# Altium PCB AMS_Master_A1.PcbDoc (part 1 of 2) (continued)
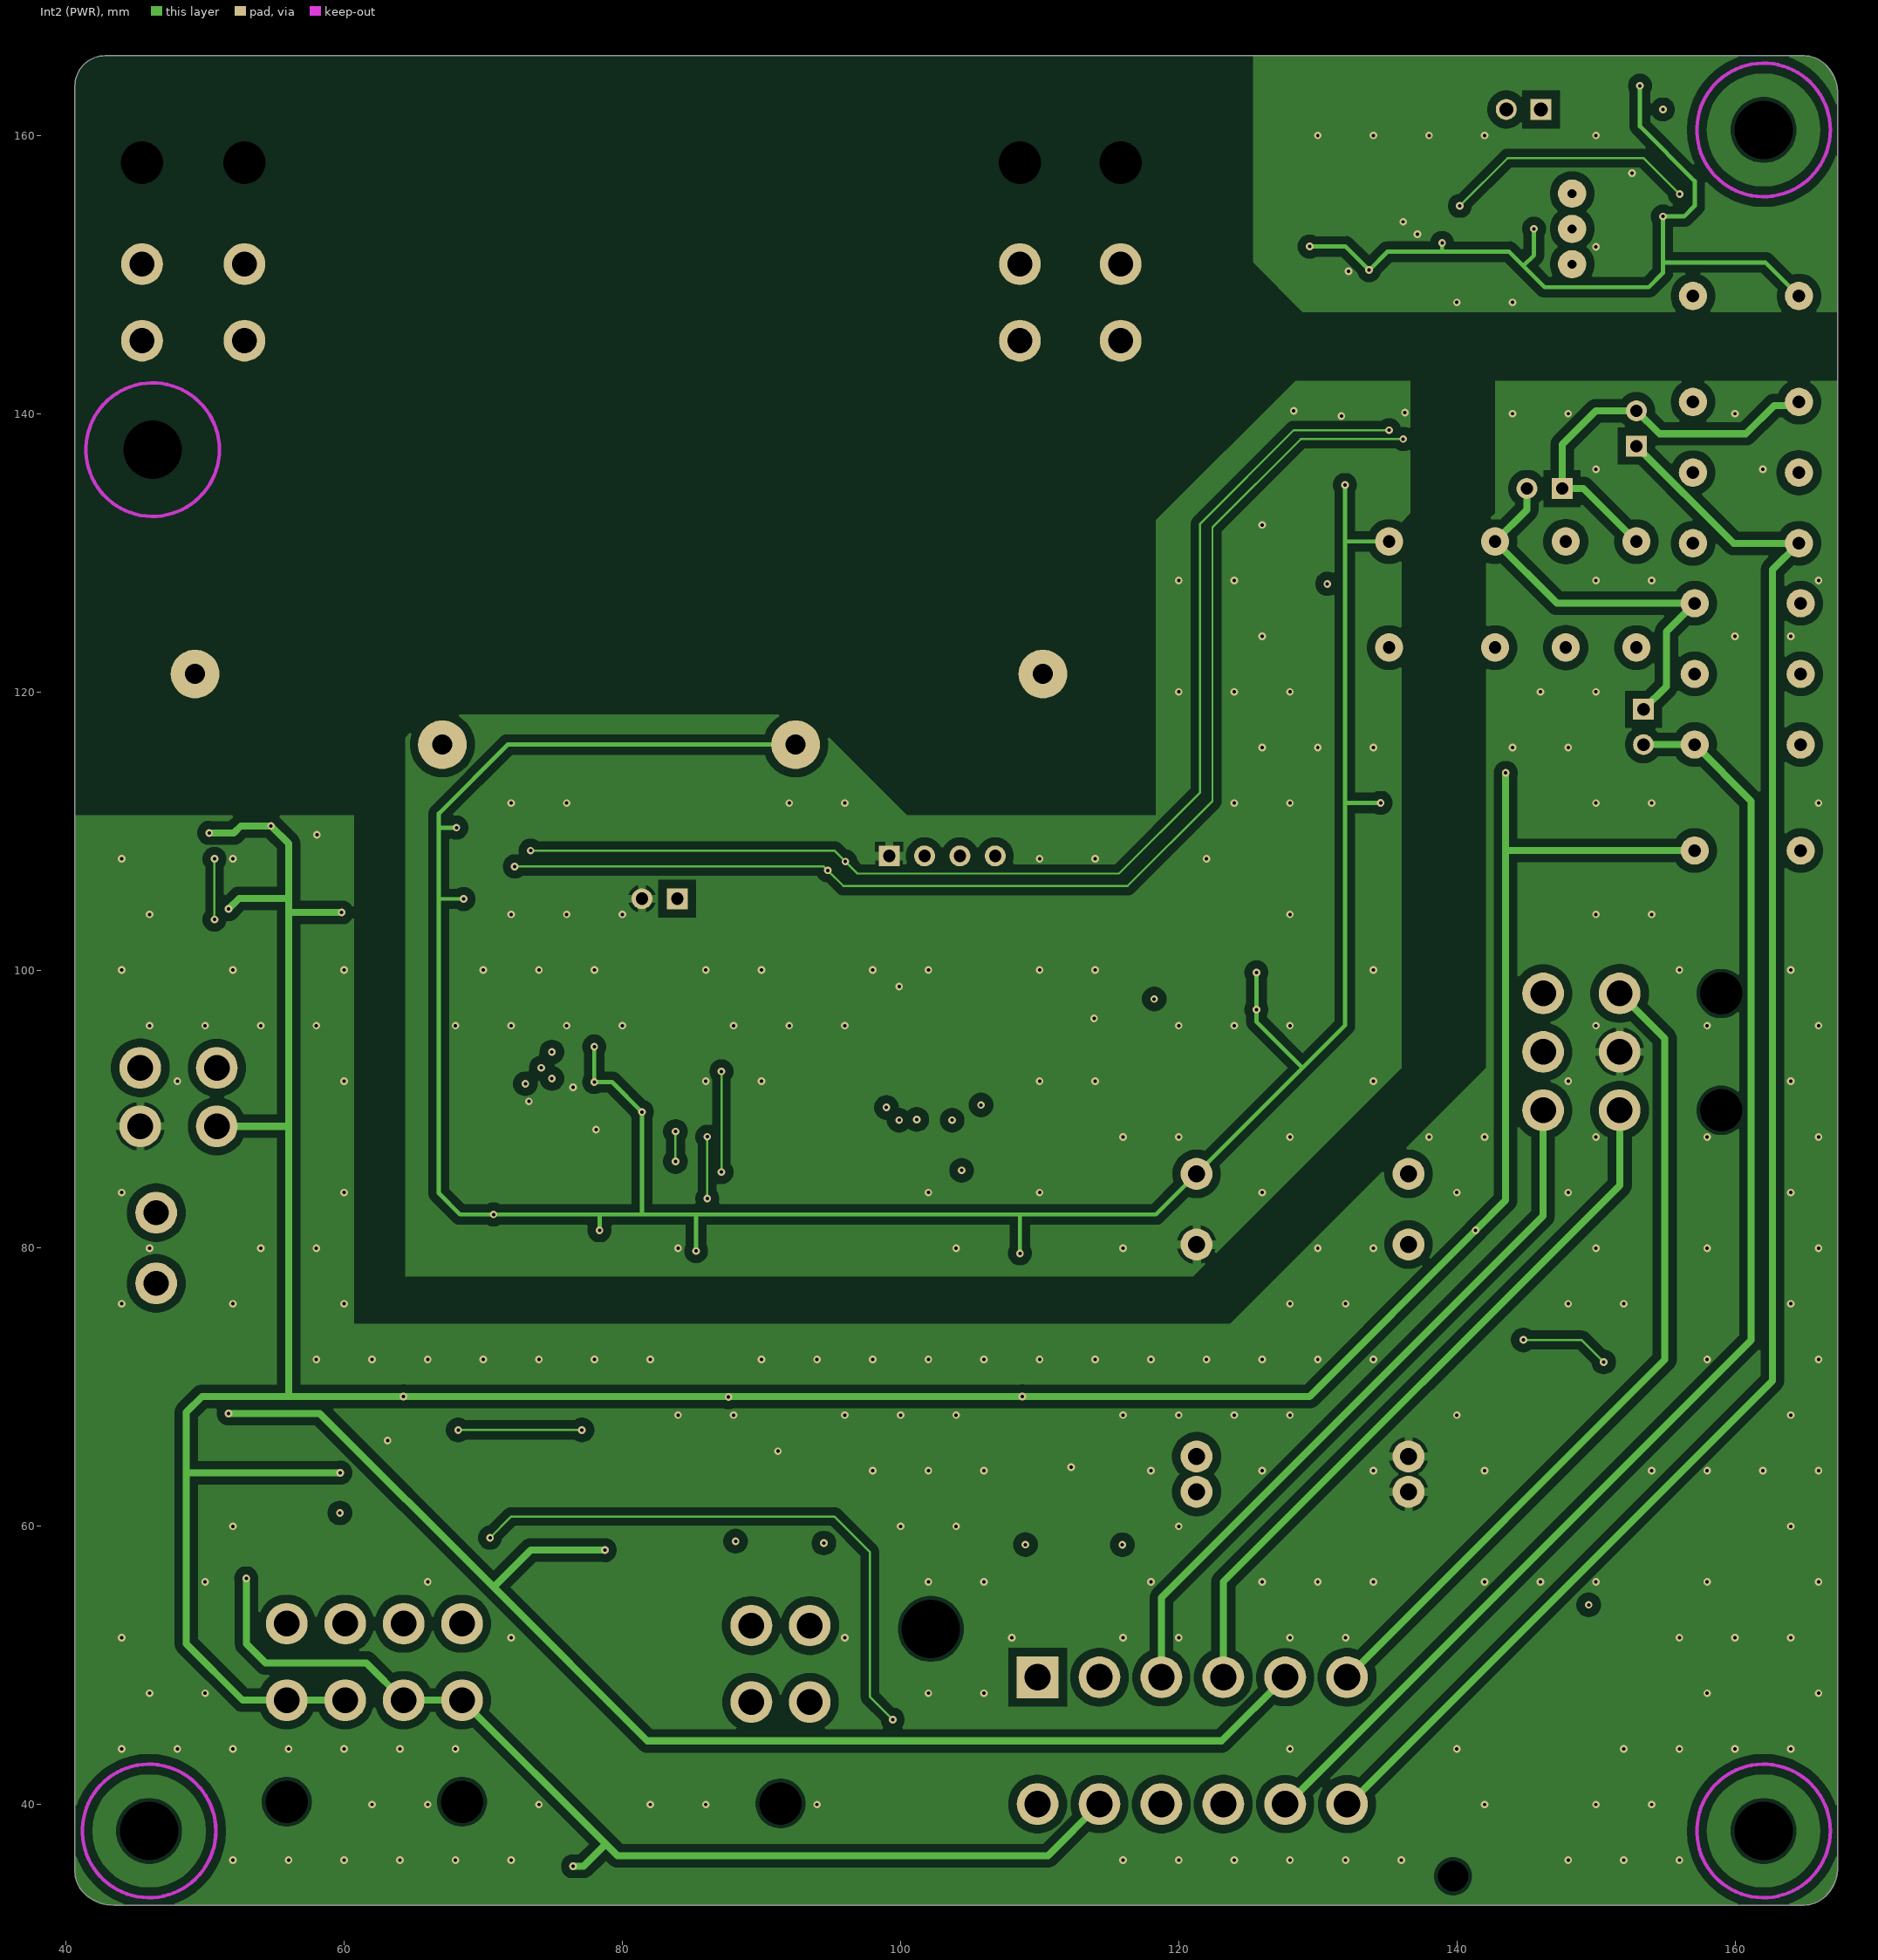
[diagram p3: Int2 (PWR)]
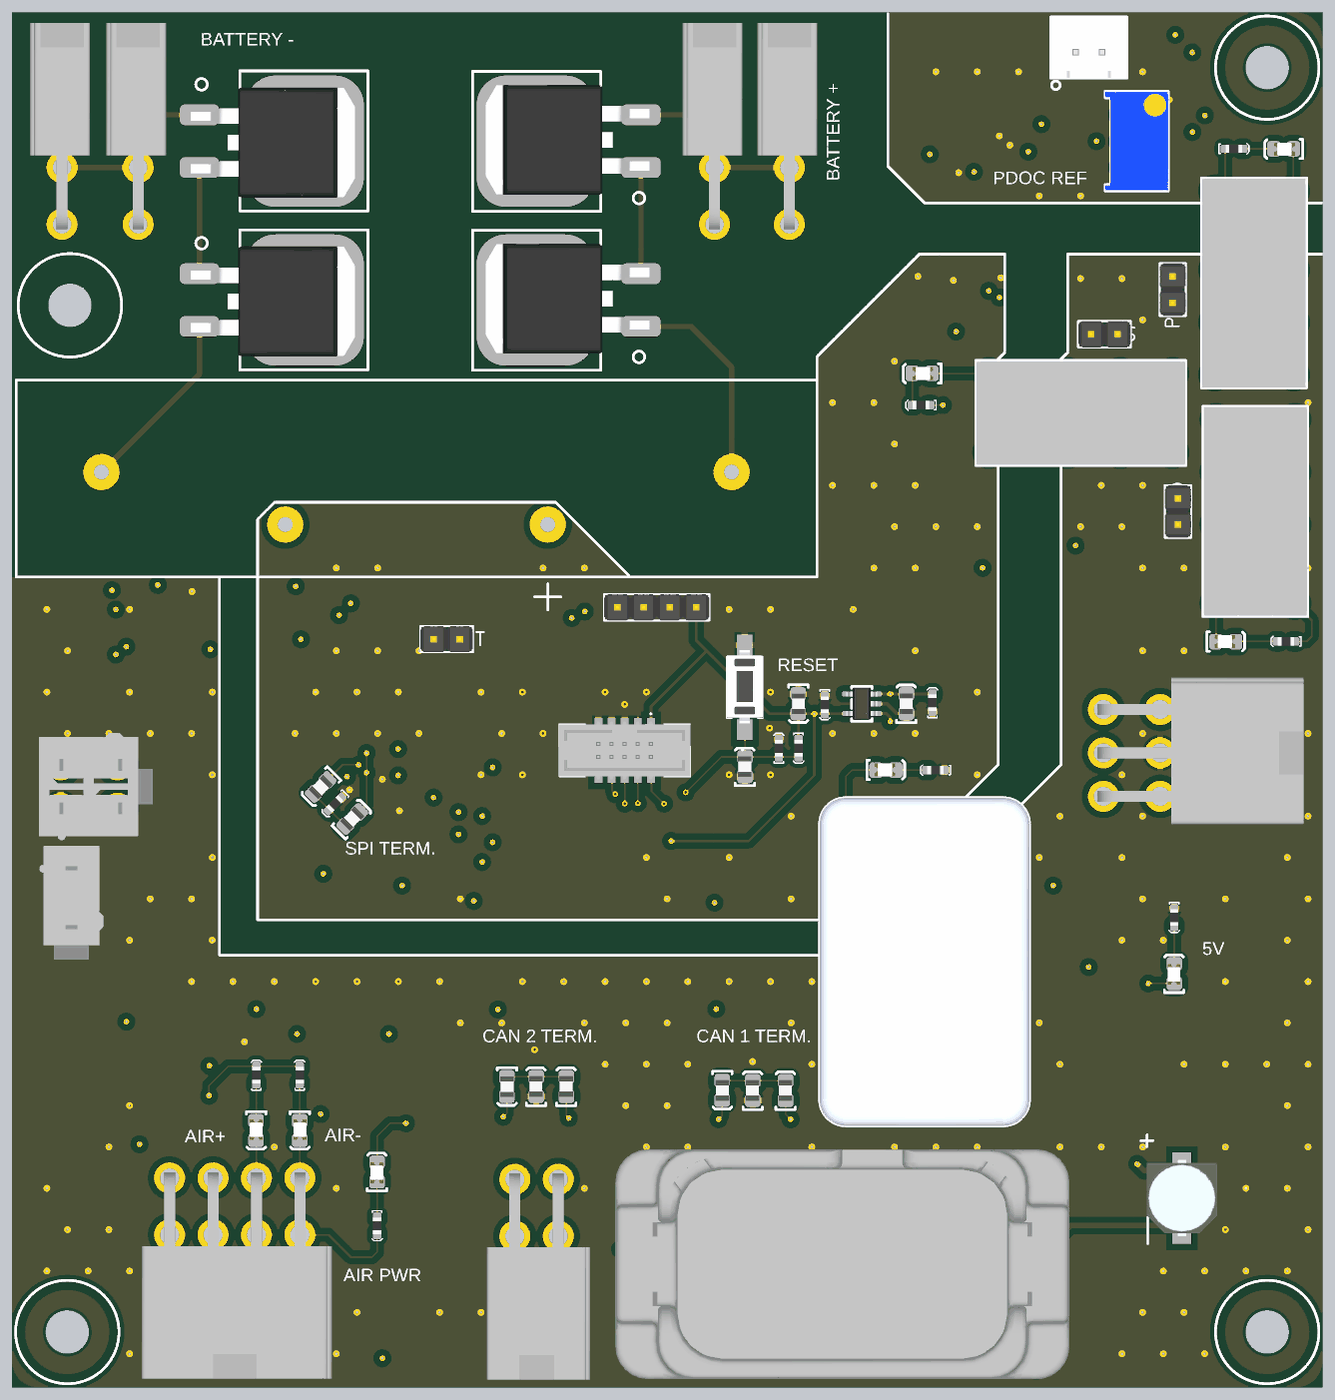
[diagram p5: 3D render of the assembled board from above, using the file's embedded part models]
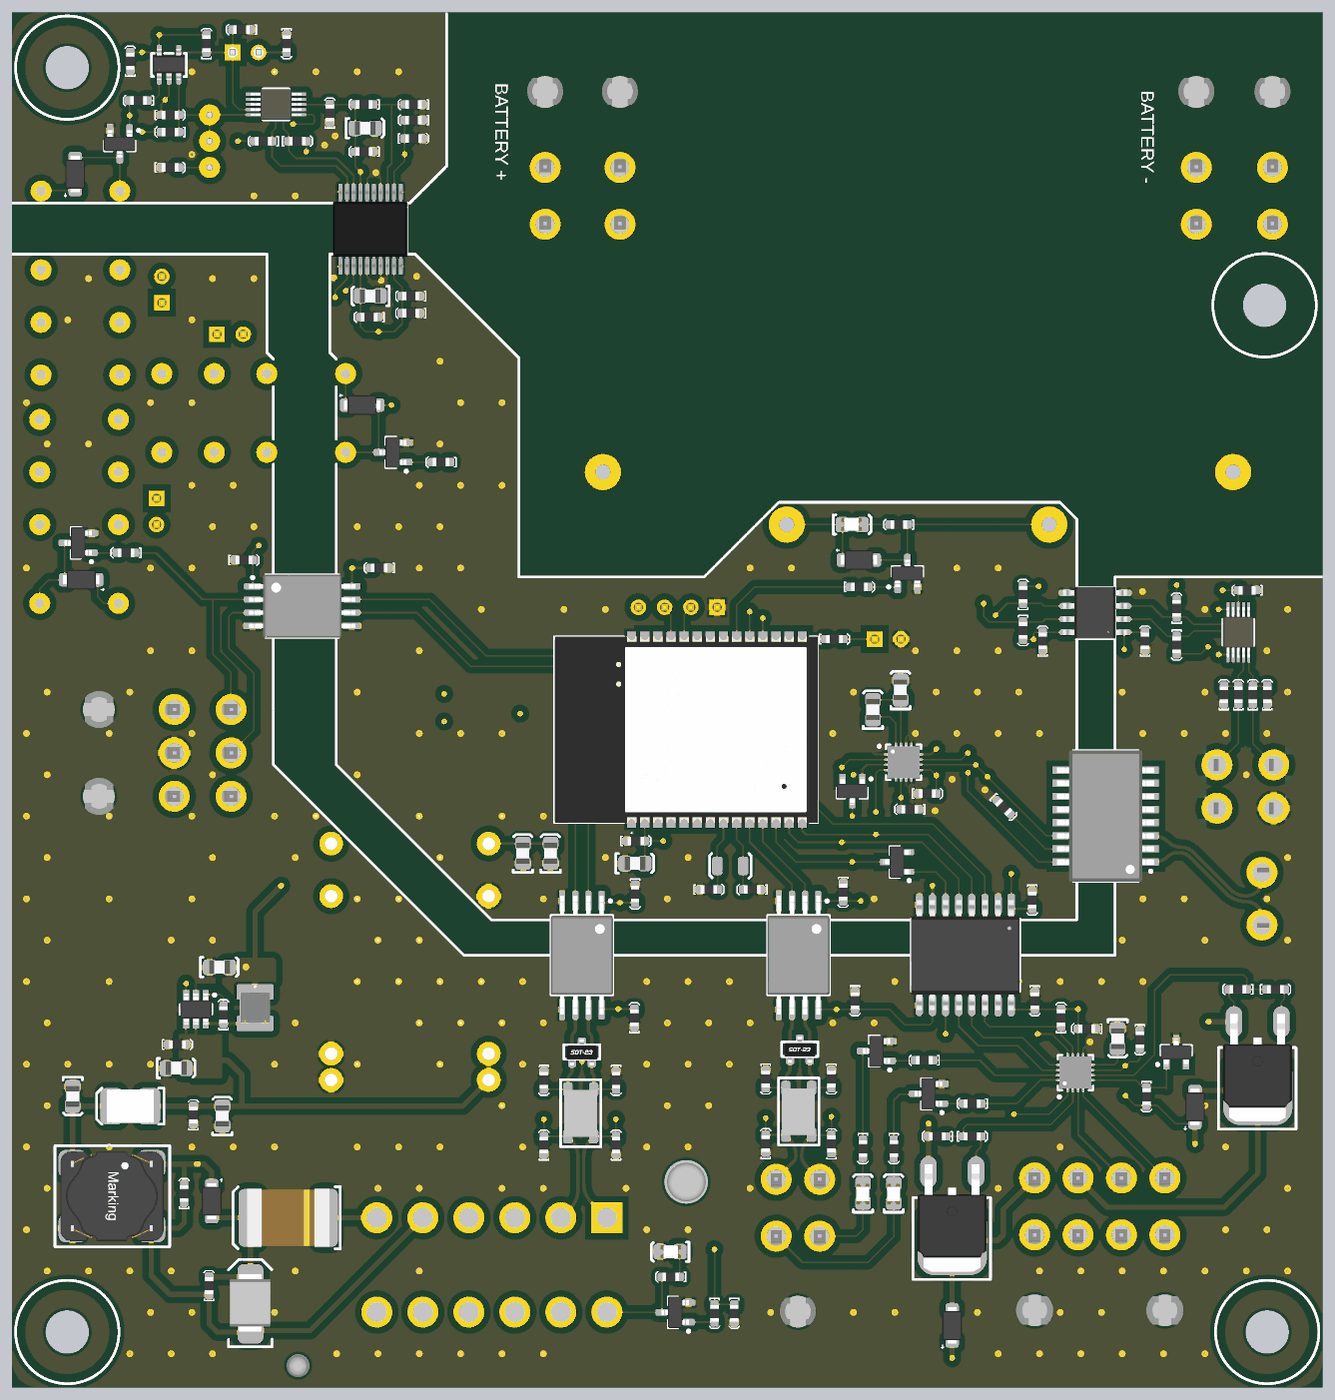
[diagram p6: 3D render of the assembled board from below, using the file's embedded part models]

## Layer stack, top to bottom
Top Solder: solder mask 0.0254, SM-001, Dk 4
Top Layer: signal copper 0.035
Dielectric 1: prepreg 0.1295, PP-017, Dk 4.3
Dielectric 2: prepreg 0.1295, PP-017, Dk 4.3
Int1 (GND): signal copper 0.035
Dielectric 3: core 0.7112, Core-039, Dk 4.8
Int2 (PWR): signal copper 0.035
Dielectric 4: prepreg 0.1295, PP-017, Dk 4.3
Dielectric 5: prepreg 0.1295, PP-017, Dk 4.3
Bottom Layer: signal copper 0.035
Bottom Solder: solder mask 0.0254, SM-001, Dk 4

## Board outline
41.275,33.655 cw(c42.808,35.188) 40.64,35.188 40.64,163.567 cw(c42.808,163.567) 41.275,165.1 cw(c42.808,163.567) 42.808,165.735 164.964,165.735 cw(c164.964,163.567) 166.497,165.1 cw(c164.351,162.954) 167.386,162.954 167.386,35.547 cw(c164.351,35.547) 166.497,33.401 cw(c164.964,34.934) 164.964,32.766 43.421,32.766 cw(c43.421,35.801)

## Design rules (kind name [scope] priority, off if disabled: settings)
Clearance [All] p1: gap=0.254 ignorepadtopadclearanceinfootprint=FALSE except(0: Arc-Hole Track-Hole SMDPad-Hole THPad-Hole Via-Hole Fill-Hole Region-Hole Text-Hole; 0.1: THPad-THPad; 0.152: Arc-SMDPad Track-SMDPad SMDPad-SMDPad; 0.2: Arc-THPad Track-THPad SMDPad-THPad THPad-Via; 0.203: Arc-Arc Arc-Track Arc-Region Track-Track Track-Region SMDPad-Region THPad-Region Via-Region Fill-Region Poly-Region Region-Region; 0.6: Arc-Poly Track-Poly SMDPad-Poly THPad-Poly Via-Poly Fill-Poly Poly-Poly)
DiffPairsRouting [All] p1: maxlimit=0.22 minlimit=0.22 mostfreqgap=0.22 toplayer_minwidth=0.33 toplayer_maxwidth=0.33 toplayer_prefwidth=0.33 midlayer1_minwidth=0.33 midlayer1_maxwidth=0.33 midlayer1_prefwidth=0.33 midlayer2_minwidth=0.33 midlayer2_maxwidth=0.33 midlayer2_prefwidth=0.33 bottomlayer_minwidth=0.33 bottomlayer_maxwidth=0.33 bottomlayer_prefwidth=0.33 maxuncoupledlength=12.7
Height [All] p1: minheight=0 maxheight=50 prefheight=12.7
HoleSize [All] p1: absolutevalues=TRUE maxlimit=10 minlimit=0.025 maxpercent=80.000 minpercent=20.000
MinimumSolderMaskSliver [All] p1 off: minsoldermaskwidth=0.254
NetAntennae [All] p1 off: netantennaetolerance=0
PlaneClearance [All] p1: clearance=0.4
PlaneConnect [All] p1: pad.planeconnectstyle=Relief pad.reliefexpansion=0.508 pad.reliefentries=4 pad.reliefconductorwidth=0.8 pad.reliefairgap=0.254 via.planeconnectstyle=Direct via.reliefexpansion=0.508 via.reliefentries=4 via.reliefconductorwidth=0.8 via.reliefairgap=0.254
PolygonConnect [All] p1: thpad.connectstyle=Relief thpad.reliefconductorwidth=0.6 thpad.reliefentries=4 thpad.polygonreliefangle="90 Angle" thpad.airgapwidth=0.254 smdpad.connectstyle=Relief smdpad.reliefconductorwidth=0.6 smdpad.reliefentries=4 smdpad.polygonreliefangle="90 Angle" smdpad.airgapwidth=0.254 via.connectstyle=Direct via.reliefconductorwidth=0.6 via.reliefentries=4 via.polygonreliefangle="90 Angle" via.airgapwidth=0.254
RoutingVias [All] p1: holewidth=0.25 width=0.55 viastyle="Through Hole" minholewidth=0.203 minwidth=0.254 maxholewidth=0.711 maxwidth=1.27
SilkToSilkClearance [All] p1 off: silktosilkclearance=0.254
SilkToSolderMaskClearance [IsPad] p1 off: minsilkscreentomaskgap=0.254 clearancetoexposedcopper=TRUE
SolderMaskExpansion [All] p1: expansion=0.051 istentingtop=FALSE
Width [All] p1: maxlimit=3 minlimit=0.127 preferedwidth=0.152 minimp=50.000000 maximp=50.000000 favimp=50.000000
21 further rules are at their usual default settings.

## Classes and differential pairs
component class "GPIO Expansion": C38 C40 C58 C59 C60 D20 D23 R19 R44 U15 U19
component class U_Microcontroller: BOOT C9 C57 C61 C62 C65 C66 JTAG P11 R2 R60 U1 UART X1
component class "Top Level": P1 P2 P3 P4 P5 P6 P7 P8 P9 P14
component class Precharge: D11 D12 D13 D14 D15 D17 D18 D19 Q4 Q5 Q6 Q7 R28 R29 R30 R31 R32 R33 R34 R35 R36 R37 R38 R39 R40 R41 R42 R43 U20
component class Power: C1 C2 C3 C4 C5 C6 C7 C8 C10 C11 C12 C13 C14 C15 C16 C17 D1 D2 D3 D4 F1 L1 L2 R1 R3 U2 U3 U4 U5
component class PDOC: C39 C41 C42 C43 C44 C45 C46 C47 C48 C49 C50 C51 D7 D8 K2 P10 PDOC Q2 R14 R15 R18 R20 R21 R22 R23 R24 R25 R26 R27 U16 U17 U18
component class isoSPI: C32 C33 C34 C35 D16 R8 R9 R10 R11 U12 U13
component class "Green Loop": AMS C36 C37 D5 D6 D9 D10 IMD K1 K3 Q1 Q3 R12 R13 R16 R17 U14
component class "Current Sensor": C52 C53 C54 C55 C56 R53 R54 R55 R56 R57 R58 U23 U24
component class "Charger Interface": D21 D22 Q9 Q10 R49 R50 R51 R52
component class CANBUS: C18 C19 C20 C21 C22 C23 C24 C25 C26 C27 C28 C29 C30 C31 R4 R5 R6 R7 U6 U7 U8 U9 U10 U11
differential pair ISO_SPI: +ISO_SPI_P -ISO_SPI_N
differential pair CAN2F: +CAN2F_P -CAN2F_N
differential pair CAN1F: +CAN1F_P -CAN1F_N
differential pair CAN2: +CAN2_P -CAN2_N
differential pair CAN1: +CAN1_P -CAN1_N

## Components (designator, comment, footprint, x,y, rotation, side; value= is the part's Value field where it differs from the comment)
AMS "2.54mm" "TH 2.54mm Header 1x2" 147.574,134.62 r180 top
BOOT "2.54mm" "TH 2.54mm Header 1x2" 83.947,105.124 r180 top
C1 "22uF" 0805 117.983,84.406 r90 bottom
C2 "1µF" 0805 115.316,84.406 r90 bottom
C3 "10uF" 0805 161.518,60.882 r270 bottom
C4 "10uF" 0805 147.066,59.006 r90 bottom
C5 "100nF" 0603 149.86,58.244 r90 bottom
C6 "100nF" 0603 148.336,41.734 r90 bottom
C7 "100nF" 0603 150.749,50.649 r90 bottom
C8 "47uF" "CHEMI-CON ELCO" 153.797,51.054 r90 top
C9 "22uF" 0805 107.135,83.439 r180 bottom
C10 "100nF" 0603 146.939,67.945 r90 bottom
C11 "2.2uF" 0805 151.511,63.627 r180 bottom
C12 "1µF" 0805 127.127,98.884 r90 top
C13 "100nF" 0603 129.667,98.122 r90 top
C14 "1µF" 0805 116.713,98.86 r270 top
C15 "100nF" 0603 119.253,99.622 r270 top
C16 "100nF" 0603 152.256,65.913 r180 bottom
C17 "10uF" 0805 147.32,73.406 r180 bottom
C18 "100nF" 0603 107.188,67.642 r90 bottom
C19 "100nF" 0603 107.124,81.329 r270 bottom
C20 "22uF" 0805 112.268,61.468 r90 top
C21 "100pF" 0603 108.966,55.323 r90 bottom
C22 "100pF" 0603 115.951,55.323 r90 bottom
C23 "100pF" 0603 115.951,63.295 r270 bottom
C24 "100pF" 0603 108.966,63.295 r270 bottom
C25 "100nF" 0603 85.852,70.999 r270 bottom
C26 "100nF" 0603 86.995,81.499 r270 bottom
C27 "22uF" 0805 91.313,61.849 r90 top
C28 "100pF" 0603 88.138,55.45 r90 bottom
C29 "100pF" 0603 94.488,55.472 r90 bottom
C30 "100pF" 0603 94.488,63.422 r270 bottom
C31 "100pF" 0603 88.138,63.422 r270 bottom
C32 "100nF" 0603 79.703,90.182 r180 bottom
C33 "100nF" 0603 79.703,88.658 r0 bottom
C34 "100nF" 0603 72.468,89.789 r225 top
C35 "10nF" 0603 72.068,89.467 r225 bottom
C36 "100nF" 0603 145.819,112.776 r180 bottom
C37 "100nF" 0603 131.015,112.014 r0 bottom
C38 "100nF" 0603 68.707,80.745 r270 bottom
C39 "100nF" 0603 144.35,164.084 r0 bottom
C40 "100nF" 0603 68.453,70.992 r270 bottom
C41 "100nF" 0603 155.956,160.174 r90 bottom
C42 "100nF" 0603 152.962,155.829 r180 bottom
C43 "100nF" 0603 136.652,155.145 r90 bottom
C44 "100nF" 0603 129.413,153.543 r180 bottom
C45 "10uF" 0805 133.223,154.559 r180 bottom
C46 "10nF" 0603 127.713,155.321 r0 bottom
C47 "100nF" 0603 132.485,152.273 r0 bottom
C48 "100nF" 0603 131.99,136.271 r0 bottom
C49 "10uF" 0805 132.752,138.303 r0 bottom
C50 "100nF" 0603 127.967,138.303 r0 bottom
C51 "10nF" 0603 127.967,136.652 r0 bottom
C52 "100nF" 0603 50.165,98.884 r90 bottom
C53 "100nF" 0603 45.974,98.884 r90 bottom
C54 "100nF" 0603 67.691,104.091 r90 bottom
C55 "100nF" 0603 47.068,109.855 r0 bottom
C56 "100nF" 0603 57.785,104.091 r90 bottom
C57 "100nF" 0603 107.897,85.598 r180 bottom
C58 "1µF" 0805 60.426,66.47 r270 bottom
C59 "100nF" 0603 58.293,67.232 r270 bottom
C60 "100nF" 0603 62.578,67.437 r0 bottom
C61 "100nF" 0603 114.808,93.726 r90 top
C62 "1µF" 0805 111.506,92.788 r90 top
C65 "22pF" 0603 100.838,80.899 r180 bottom
C66 "22pF" 0603 94.947,80.899 r0 bottom
D1 "PMEG100T10ELR-QX" "NXP SOD123W" 148.082,50.749 r270 bottom
D2 "Orange" "0805 LED" 125.173,92.482 r0 top
D3 "SM6T36CAY" "ST SMB DIODE" 144.333,40.834 r270 bottom
D4 "Orange" "0805 LED" 153.035,72.778 r90 top
D5 "Green" "0805 LED" 158.061,104.902 r0 top
D6 "PMEG100T10ELR-QX" "NXP SOD123W" 160.706,110.871 r0 bottom
D7 "Green" "0805 LED" 163.63,152.527 r180 top
D8 "PMEG100T10ELR-QX" "NXP SOD123W" 161.29,150.114 r90 bottom
D9 "Green" "0805 LED" 128.651,130.81 r180 top
D10 "PMEG100T10ELR-QX" "NXP SOD123W" 133.528,127.762 r180 bottom
D11 "PMEG100T10ELR-QX" "NXP SOD123W" 76.454,38.735 r90 bottom
D12 "PMEG100T10ELR-QX" "NXP SOD123W" 52.959,59.868 r90 bottom
D13 "Red" "0805 LED" 103.759,45.847 r0 bottom
D14 "Red" "0805 LED" 68.479,57.58 r270 top
D15 "Red" "0805 LED" 64.262,57.58 r270 top
D16 "BAS-21" NEXPERIA_SOT23 86.106,90.424 r270 bottom
D17 "Green" "0805 LED" 86.106,116.216 r180 bottom
D18 "PMEG100T10ELR-QX" "NXP SOD123W" 85.471,112.776 r180 bottom
D19 "Red" "0805 LED" 75.92,53.594 r90 top
D20 "BAS-21" NEXPERIA_SOT23 81.788,83.566 r0 bottom
D21 "Yellow" "0805 LED" 85.09,51.538 r90 bottom
D22 "Yellow" "0805 LED" 82.127,51.538 r90 bottom
D23 "MMBZ5230BLT1G" NEXPERIA_SOT23 54.777,65.151 r90 bottom
F1 "0ZCF0100AF2A" 2920 137.033,49.149 r0 bottom
IMD "2.54mm" "TH 2.54mm Header 1x2" 153.416,118.745 r270 top
JTAG "1.27mm" 3221-10-0300-00 99.898,94.355 r180 top
K1 "J104A2C5VDC.40S" "TI 2-DIL" 160.909,117.475 r90 top
K2 "J104A2C5VDC.40S" "TI 2-DIL" 160.782,139.573 r270 top
K3 "J104A2C5VDC.40S" "TI 2-DIL" 144.018,127 r0 top
L1 "12uH" 1812 155.956,59.944 r0 bottom
L2 "4.7uH" SRN3015TA-4R7M 143.891,69.47 r270 bottom
P1 "DTF15-12P" DTF15-12P 109.855,30.909 r0 top
P2 "39300040" 39300040 93.472,47.371 r0 top
P3 "39300060" 39300060 151.704,98.316 r90 top
P4 "39293026" 39293026 46.482,80.01 r180 bottom
P5 "39300080" 39300080 68.471,47.498 r0 top
P6 "39300020" 39300020 45.466,150.749 r180 top
P7 "39300020" 39300020 115.824,150.749 r180 top
P8 "39300020" 39300020 108.585,150.749 r180 top
P9 "39300020" 39300020 52.832,150.749 r180 top
P10 "B2B-XH-A(LF)(SN)" "XH 2 PIN VERT" 144.8,162.001 r180 top
P11 "2.54mm" "TH 2.54mm Header 1x4" 99.187,108.204 r0 top
P14 "39293046" 39293046 45.339,88.764 r270 top